# Altium PCB 平衡车驱动板.PcbDoc
Units mm, origin at the board's own origin, x right, y up, seen from the top; angles counter-clockwise.
Board outline 52.9 x 52.87 mm, 2 copper layers (Top Layer, Bottom Layer), stack 1.671 mm thick; 45 components, 41 nets, 196 pads, 173 vias.
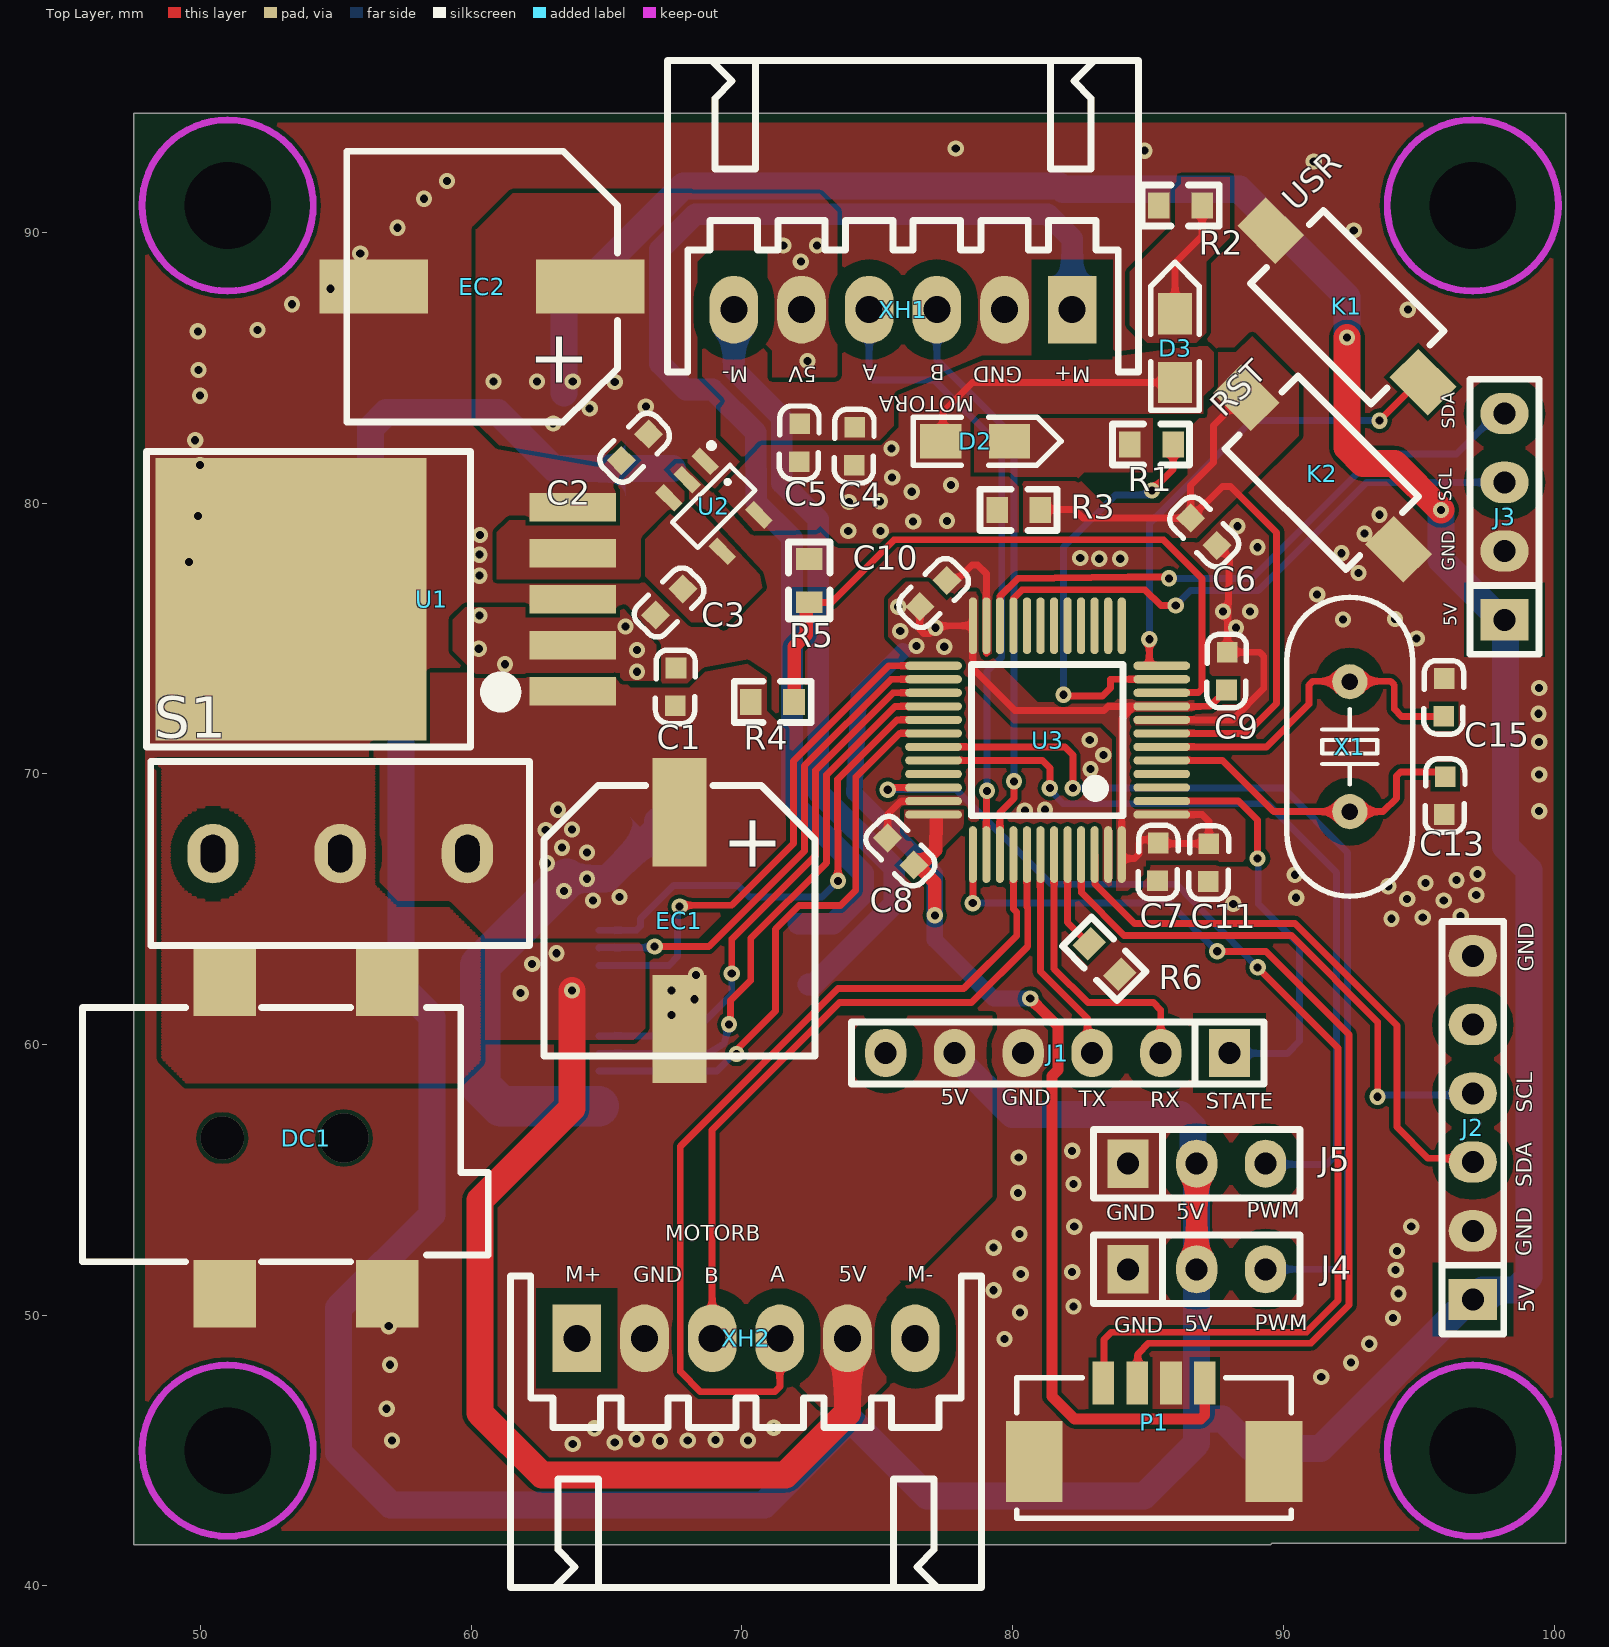
[diagram p0: Top Layer view]
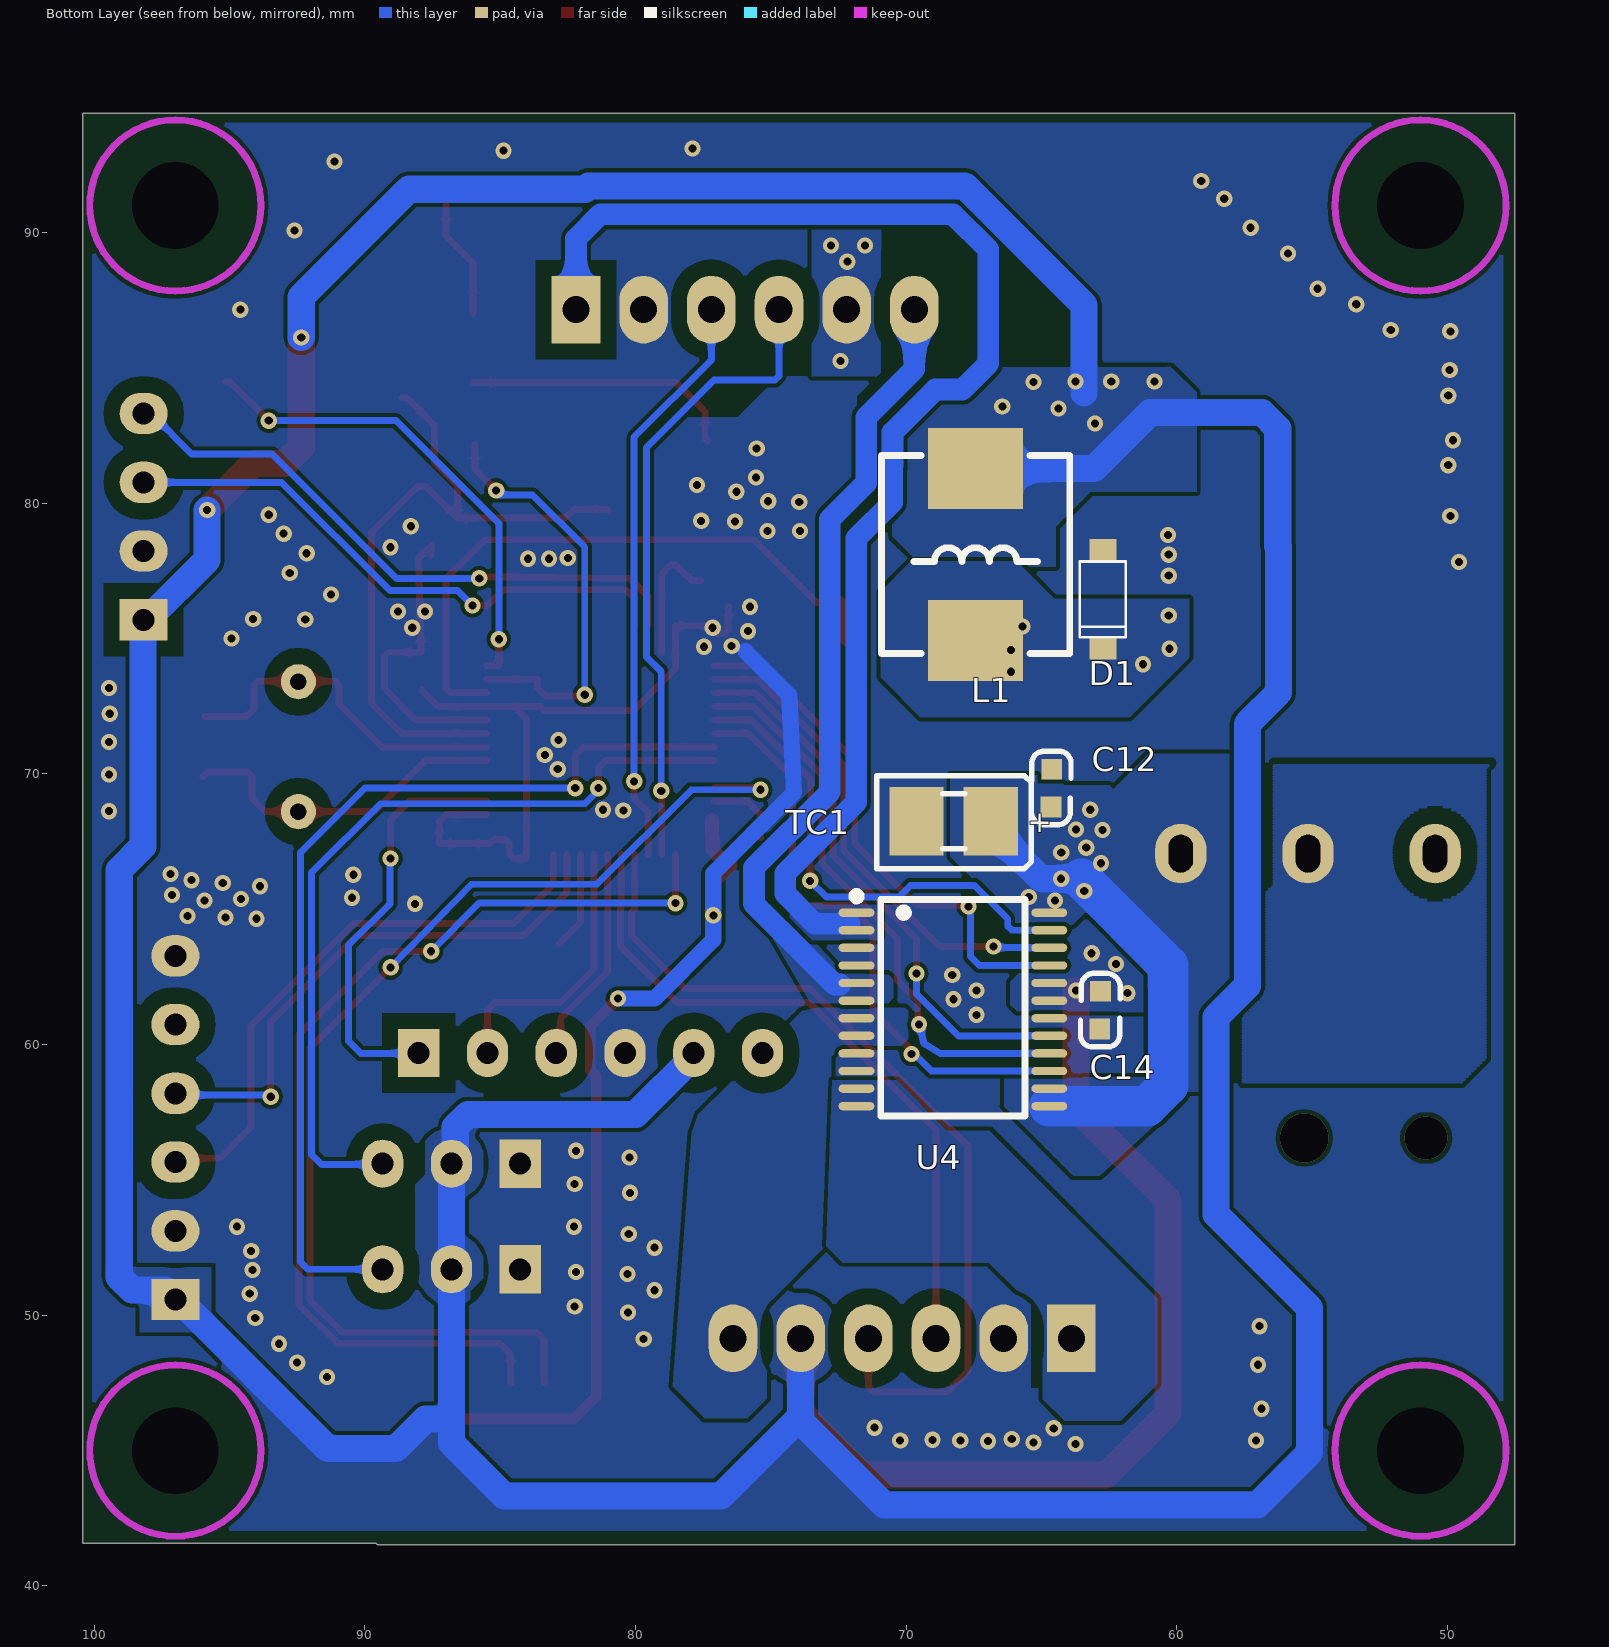
[diagram p1: Bottom Layer view, seen from below]
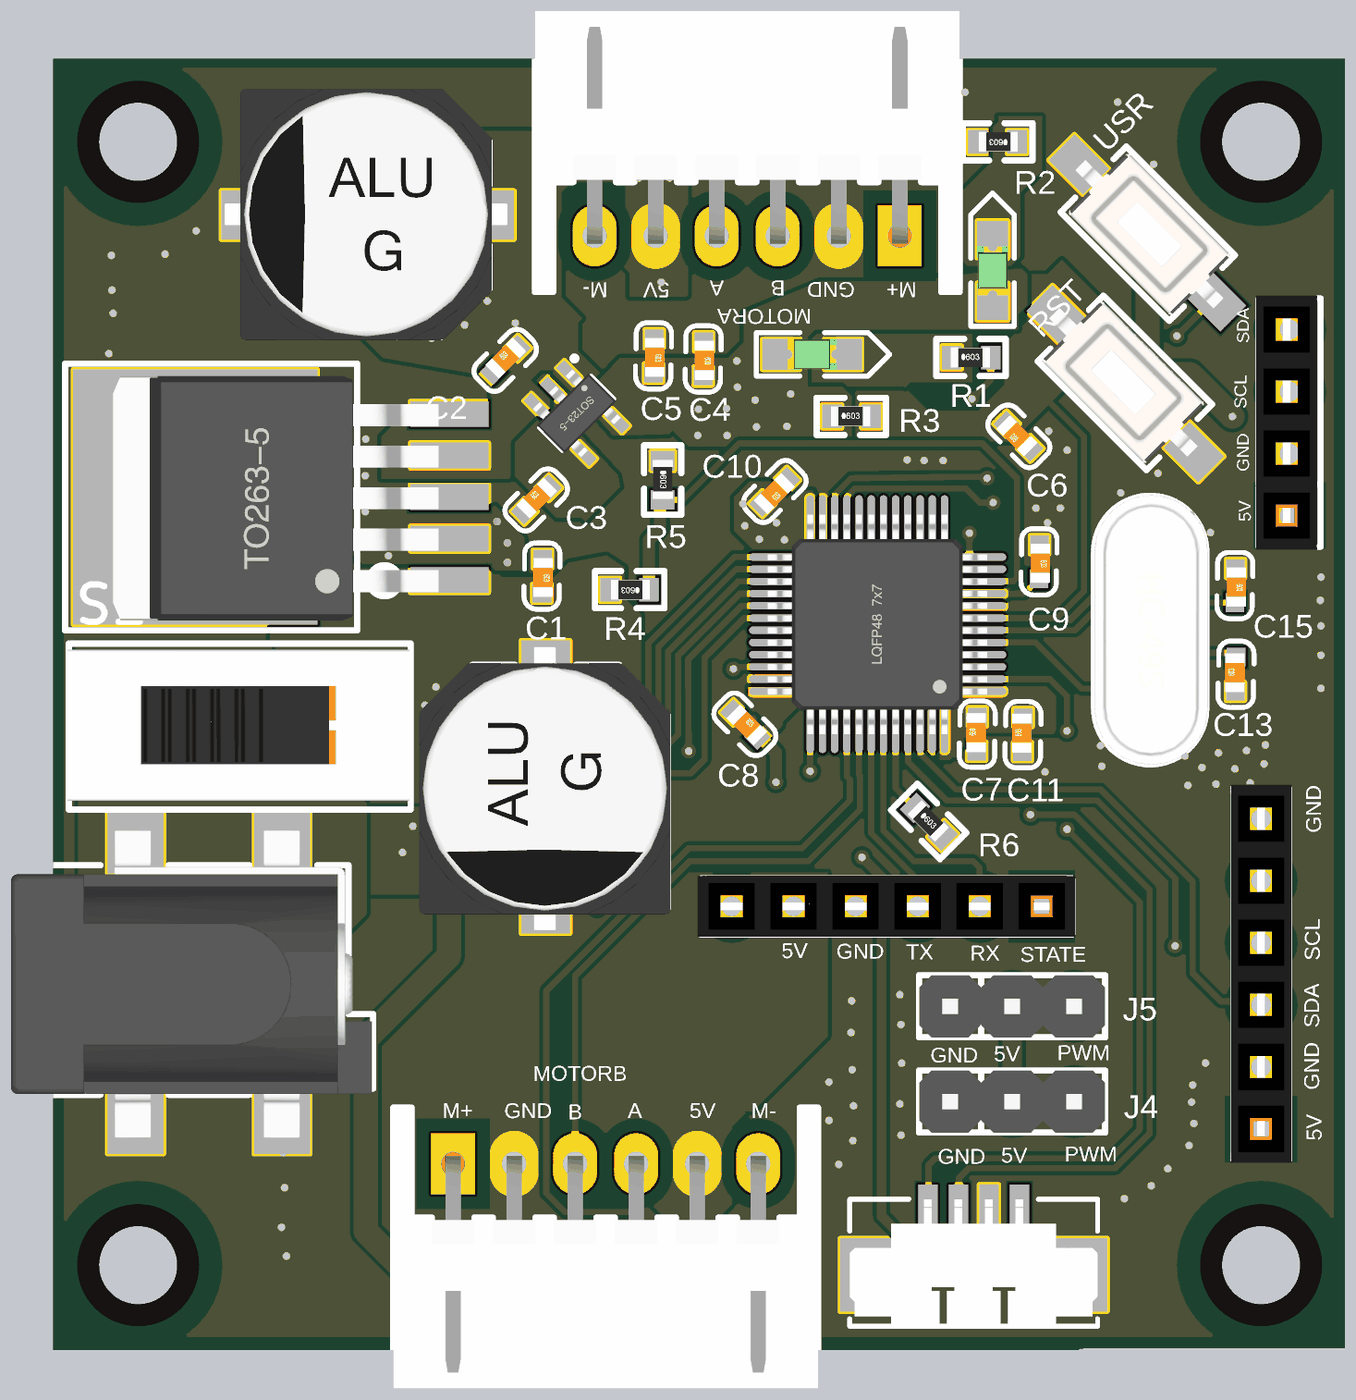
[diagram p2: 3D render of the assembled board from above, using the file's embedded part models]
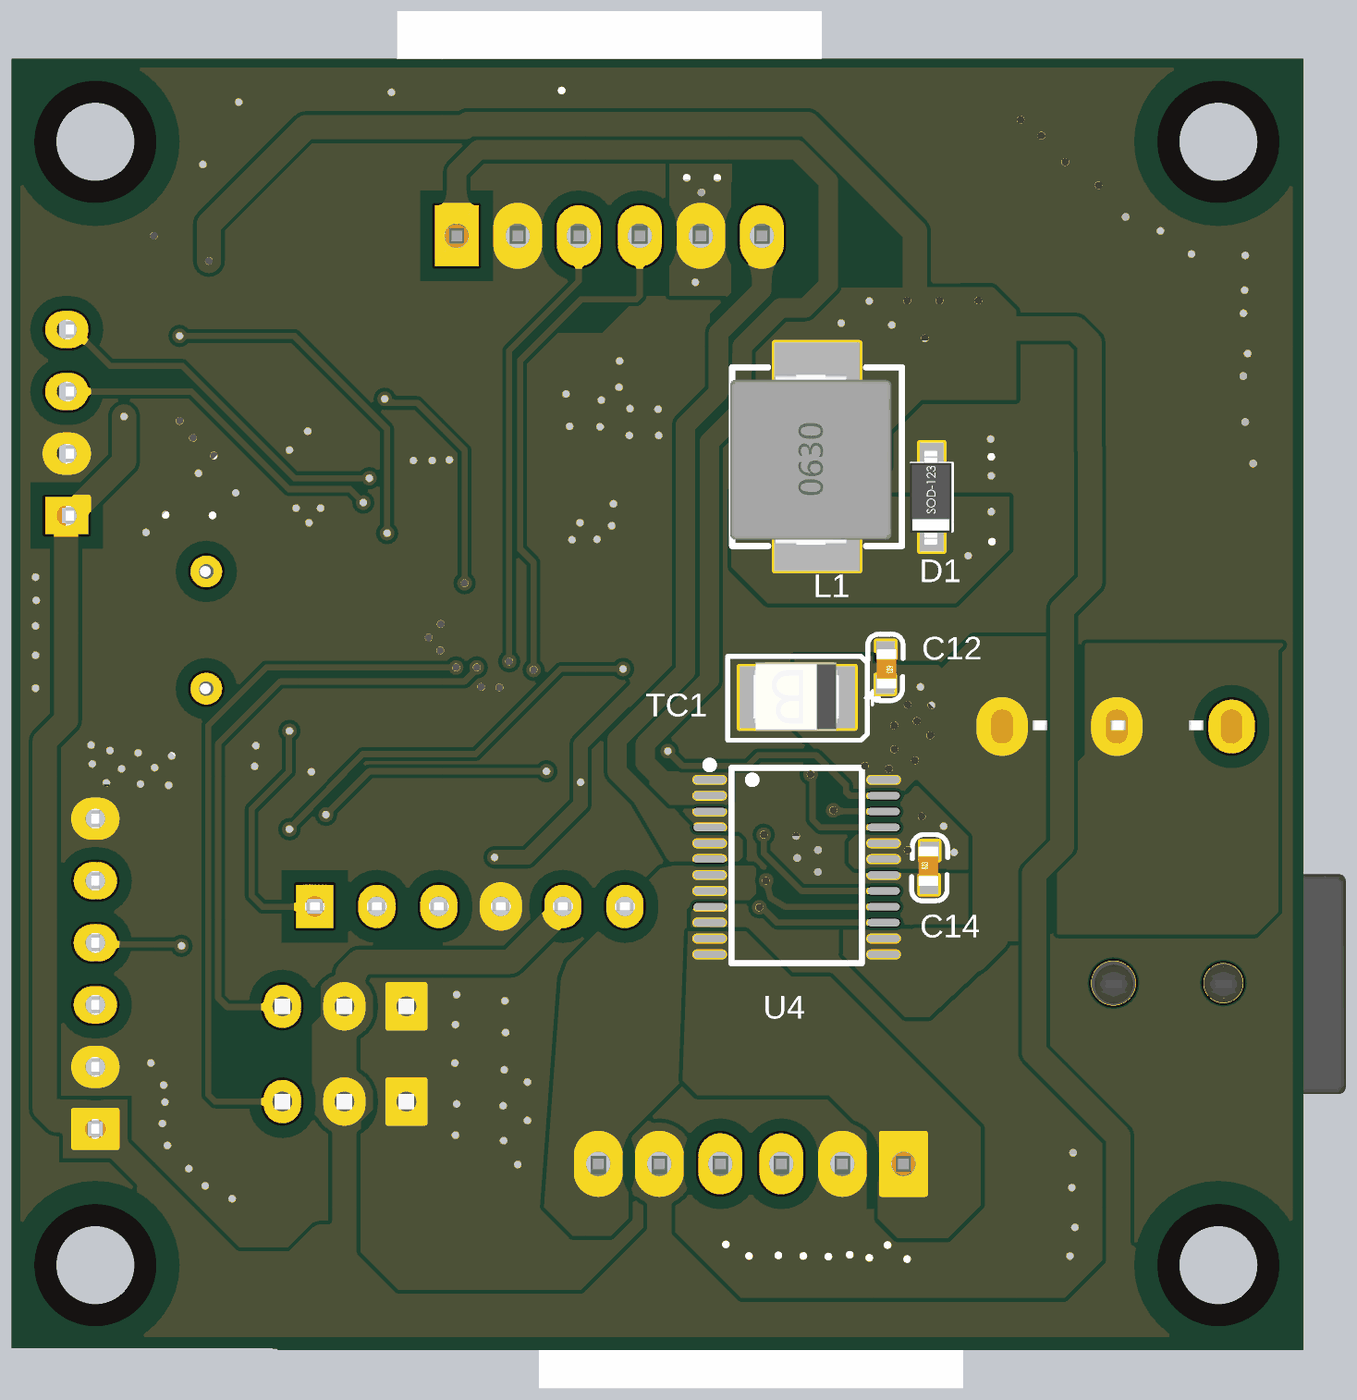
[diagram p3: 3D render of the assembled board from below, using the file's embedded part models]

## Layer stack, top to bottom
Top Solder: solder mask 0.0102, Solder Resist, Dk 3.5
Top Layer: signal copper 0.0356
Dielectric 1: dielectric 1.6, FR-4, Dk 4.8
Bottom Layer: signal copper 0.0356
Bottom Solder: solder mask 0.0102, Solder Resist, Dk 3.5

## Board outline
47.525,41.525 47.525,94.4 100.425,94.4 100.425,41.575 89.575,41.575 89.525,41.525

## Design rules (kind name [scope] priority, off if disabled: settings)
BoardOutlineClearance [All] p1: gap=0.2 ignorepadtopadclearanceinfootprint=FALSE
Clearance [All] p1: gap=0.152 ignorepadtopadclearanceinfootprint=TRUE except(0.6: THPad-Fill THPad-Poly THPad-Region)
HoleSize [All] p1: absolutevalues=TRUE maxlimit=10 minlimit=0.025 maxpercent=80.000 minpercent=20.000
MinimumSolderMaskSliver [All] p1: minsoldermaskwidth=0
PolygonConnect [All] p1: connectstyle=Direct reliefconductorwidth=0.254 reliefentries=4 polygonreliefangle="90 Angle" airgapwidth=0.254
RoutingVias [All] p1: holewidth=0.711 width=1.27 viastyle="Through Hole" minholewidth=0.711 minwidth=1.27 maxholewidth=0.711 maxwidth=1.27 useviatemplates=TRUE viatemplateguid#1={BA09508E-14AB-443C-A491-75B235882F32} viatemplatename#1=v60h30m0mx0
SilkToSilkClearance [All] p1: silktosilkclearance=0
SilkToSolderMaskClearance [IsPad] p1: minsilkscreentomaskgap=0 clearancetoexposedcopper=TRUE
SolderMaskExpansion [All] p1: expansion=0.102
Width [All] p1: maxlimit=10 minlimit=0.152 preferedwidth=0.254
26 further rules are at their usual default settings.

## Components (designator, comment, footprint, x,y, rotation, side; value= is the part's Value field where it differs from the comment)
C1 "1uF" 0603C 67.573,73.919 r270 top
C2 "1uF" 0603C 65.532,81.583 r45 top
C3 "1uF" 0603C 66.802,75.868 r45 top
C4 "1uF" 0603C 74.177,82.809 r270 top
C5 "1uF" 0603C 72.145,82.936 r270 top
C6 "1uF" 0603C 87.542,78.434 r135 top
C7 "0.1uF" 0603C 85.341,66.045 r90 top
C8 "0.1uF" 0603C 75.388,67.65 r315 top
C9 "0.1uF" 0603C 87.934,74.502 r270 top
C10 "0.1uF" 0603C 77.585,77.147 r225 top
C11 "0.1uF" 0603C 87.216,66.023 r90 top
C12 "0.1uF" 0603C 64.616,70.18 r270 bottom
C13 "20pF" 0603C 95.941,68.495 r90 top
C14 "0.1uF" 0603C 62.859,60.573 r90 bottom
C15 "20pF" 0603C 95.959,73.53 r270 top
D1 "SK32" SOD-123 62.738,78.232 r270 bottom
D2 "LED" LED-0805B 77.343,82.296 r0 top
D3 "LED" LED-0805B 86,84.46 r90 top
DC1 "DC_Socket" DC-050 50.896,62.3 r0 top
EC1 "470uF 35V" SMD-EC10X10X10 67.691,60.58 r90 top
EC2 "330uF 35V" SMD-EC10X10X10 56.4,88 r0 top
J1 "HC-08" Fe-HDR1X6/2.54-S 88.011,59.69 r180 top
J2 "MPU6050" Fe-HDR1X6/2.54-S 97,50.58 r90 top
J3 "0.96OLED" Fe-HDR1X4/2.54-S 98.171,75.692 r180 top
J4 "SERVO1" "Pin HDR1X3/2.54mm-S" 84.26,51.7 r90 top
J5 "SERVO2" "Pin HDR1X3/2.54mm-S" 84.26,55.6 r90 top
K1 "KEY" SMD-3X6X2.5 95.1,84.5 r135 top
K2 "KEY" SMD-3X6X2.5 88.682,83.868 r315 top
L1 "33uH" 0630L 67.437,75.057 r90 bottom
P1 "MOLEX_0532610471" "MOLEX 0532610471" 85.225,44.6 r180 top
R1 "10K" 0603R 84.328,82.169 r0 top
R2 "10K" 0603R 87,91 r180 top
R3 "10K" 0603R 79.426,79.756 r0 top
R4 "68K" 0603R 71.925,72.66 r180 top
R5 "22K" 0603R 72.487,77.937 r270 top
R6 "10K" 0603R 82.825,63.725 r315 top
S1 "SS-12D10" SS-12D10 55.158,67.056 r180 top
TC1 "10uF" TAJ-B/3528 68.175,68.15 r0 bottom
U1 "LM2596-5.0" TO263-5A 63.754,76.454 r90 top
U2 "RT9193X_5P" SOT23-5L 68.961,79.883 r225 top
U3 "STM32F103C8T6" "LQFP48 7X7" 81.28,71.247 r90 top
U4 "TB6612FNG" TB6612-SSOP-24 68.275,61.3 r270 bottom
X1 "8M" "OSC HC-49S" 92.456,71.006 r270 top
XH1 "MOA" XH6/2.54mm/90 82.2,87.15 r180 top
XH2 "MOB" XH6/2.54mm/90 63.9,49.15 r0 top

## Footprints (in the part's own frame and the unit in brackets; to place one, negate y for a bottom-side part, rotate by r counter-clockwise, add the part's x,y. Pads: shape width x height; smd on the part's side, far side on the other; paste and mask are expansions set on the pad)
0603C [mil]
  rect 30x30 smd: 1(0.21,-0.35) 2(55.21,-1.35)
  silkscreen extent -26,-30 81,28, body extent -1,-15 62,17, height 12
0603R [mm]
  rect 0.8x0.965 smd: 1(0,0) 2(1.6,0)
  silkscreen extent -0.64,-0.76 2.21,0.76, body extent -0.04,-0.41 1.56,0.41, height 0.45
0630L [mm]
  rect 3x3.5 smd: 1(-0.127,0) 2(6.223,0)
  silkscreen extent -0.61,-3.48 6.71,3.48, body extent -0.55,-3.05 6.4,3.55, height 3.05
DC-050 [mm] "5.5X2.1mm"
  rect 2.3x2.5 smd: 1(0,0) 1(6,0) 2(6,-11.5) 3(0,-11.5)
  silkscreen extent -5.25,-10.32 9.73,-0.92, body extent -5.11,-12.09 9.69,0.51, height 11
Fe-HDR1X4/2.54-S [mil]
  rect 70x60 hole 32: 1(0,0)
  oval 70x60 hole 32: 2(0,-100) 3(0,-200) 4(0,-300)
  silkscreen extent -50,-350 50,50, body extent -44,-355 54,55, height 335
Fe-HDR1X6/2.54-S [mil]
  rect 60x70 hole 32: 1(0,0)
  oval 60x70 hole 32: 2(100,0) 3(200,0) 4(300,0) 5(400,0) 6(500,0)
  silkscreen extent -50,-45 550,45, body extent -55,-49 555,49, height 109
LED-0805B [mil]
  rect 60x50 smd: A(0,0) K(100,0)
  silkscreen extent -40,-35 175,35, body extent 10,-25 89,25, height 32
"LQFP48 7X7" [mm]
  oval 0.3x2.1 smd: 1(-2.75,-4.227) 2(-2.25,-4.227) 3(-1.75,-4.227) 4(-1.25,-4.227) 5(-0.75,-4.227) 6(-0.25,-4.227) 7(0.25,-4.227) 8(0.75,-4.227) 9(1.25,-4.227) 10(1.75,-4.227) 11(2.25,-4.227) 12(2.75,-4.227) 25(2.75,4.202) 26(2.25,4.202) 27(1.75,4.202) 28(1.25,4.202) 29(0.75,4.202) 30(0.25,4.202) 31(-0.25,4.202) 32(-0.75,4.202) 33(-1.25,4.202) 34(-1.75,4.202) 35(-2.25,4.202) 36(-2.75,4.202)
  oval 2.1x0.3 smd: 13(4.227,-2.75) 14(4.227,-2.25) 15(4.227,-1.75) 16(4.227,-1.25) 17(4.227,-0.75) 18(4.227,-0.25) 19(4.227,0.25) 20(4.227,0.75) 21(4.227,1.25) 22(4.227,1.75) 23(4.227,2.25) 24(4.227,2.75) 37(-4.227,2.75) 38(-4.227,2.25) 39(-4.227,1.75) 40(-4.227,1.25) 41(-4.227,0.75) 42(-4.227,0.25) 43(-4.227,-0.25) 44(-4.227,-0.75) 45(-4.227,-1.25) 46(-4.227,-1.75) 47(-4.227,-2.25) 48(-4.227,-2.75)
  silkscreen extent -2.79,-2.79 2.79,2.79, body extent -4.51,-4.5 4.5,4.5, height 1.45
"MOLEX 0532610471" [mm] "Connector Header Surface Mount, Right Angle 4 position, 1.25mm Pitch, 10.15x4.20 mm Body"
  rect 0.8x1.6 smd: 1(-1.875,-2.9) 2(-0.625,-2.9) 3(0.625,-2.9) 4(1.875,-2.9)
  rect 2.1x3 smd: SH(-4.425,0) SH(4.425,0)
  silkscreen extent -5.08,-3.1 5.08,2.1, body extent -5.07,-3.1 5.07,2.1, height 3.4